# Altium PCB P-MT3620RDB-1-0.PcbDoc (part 1 of 4) (continued)
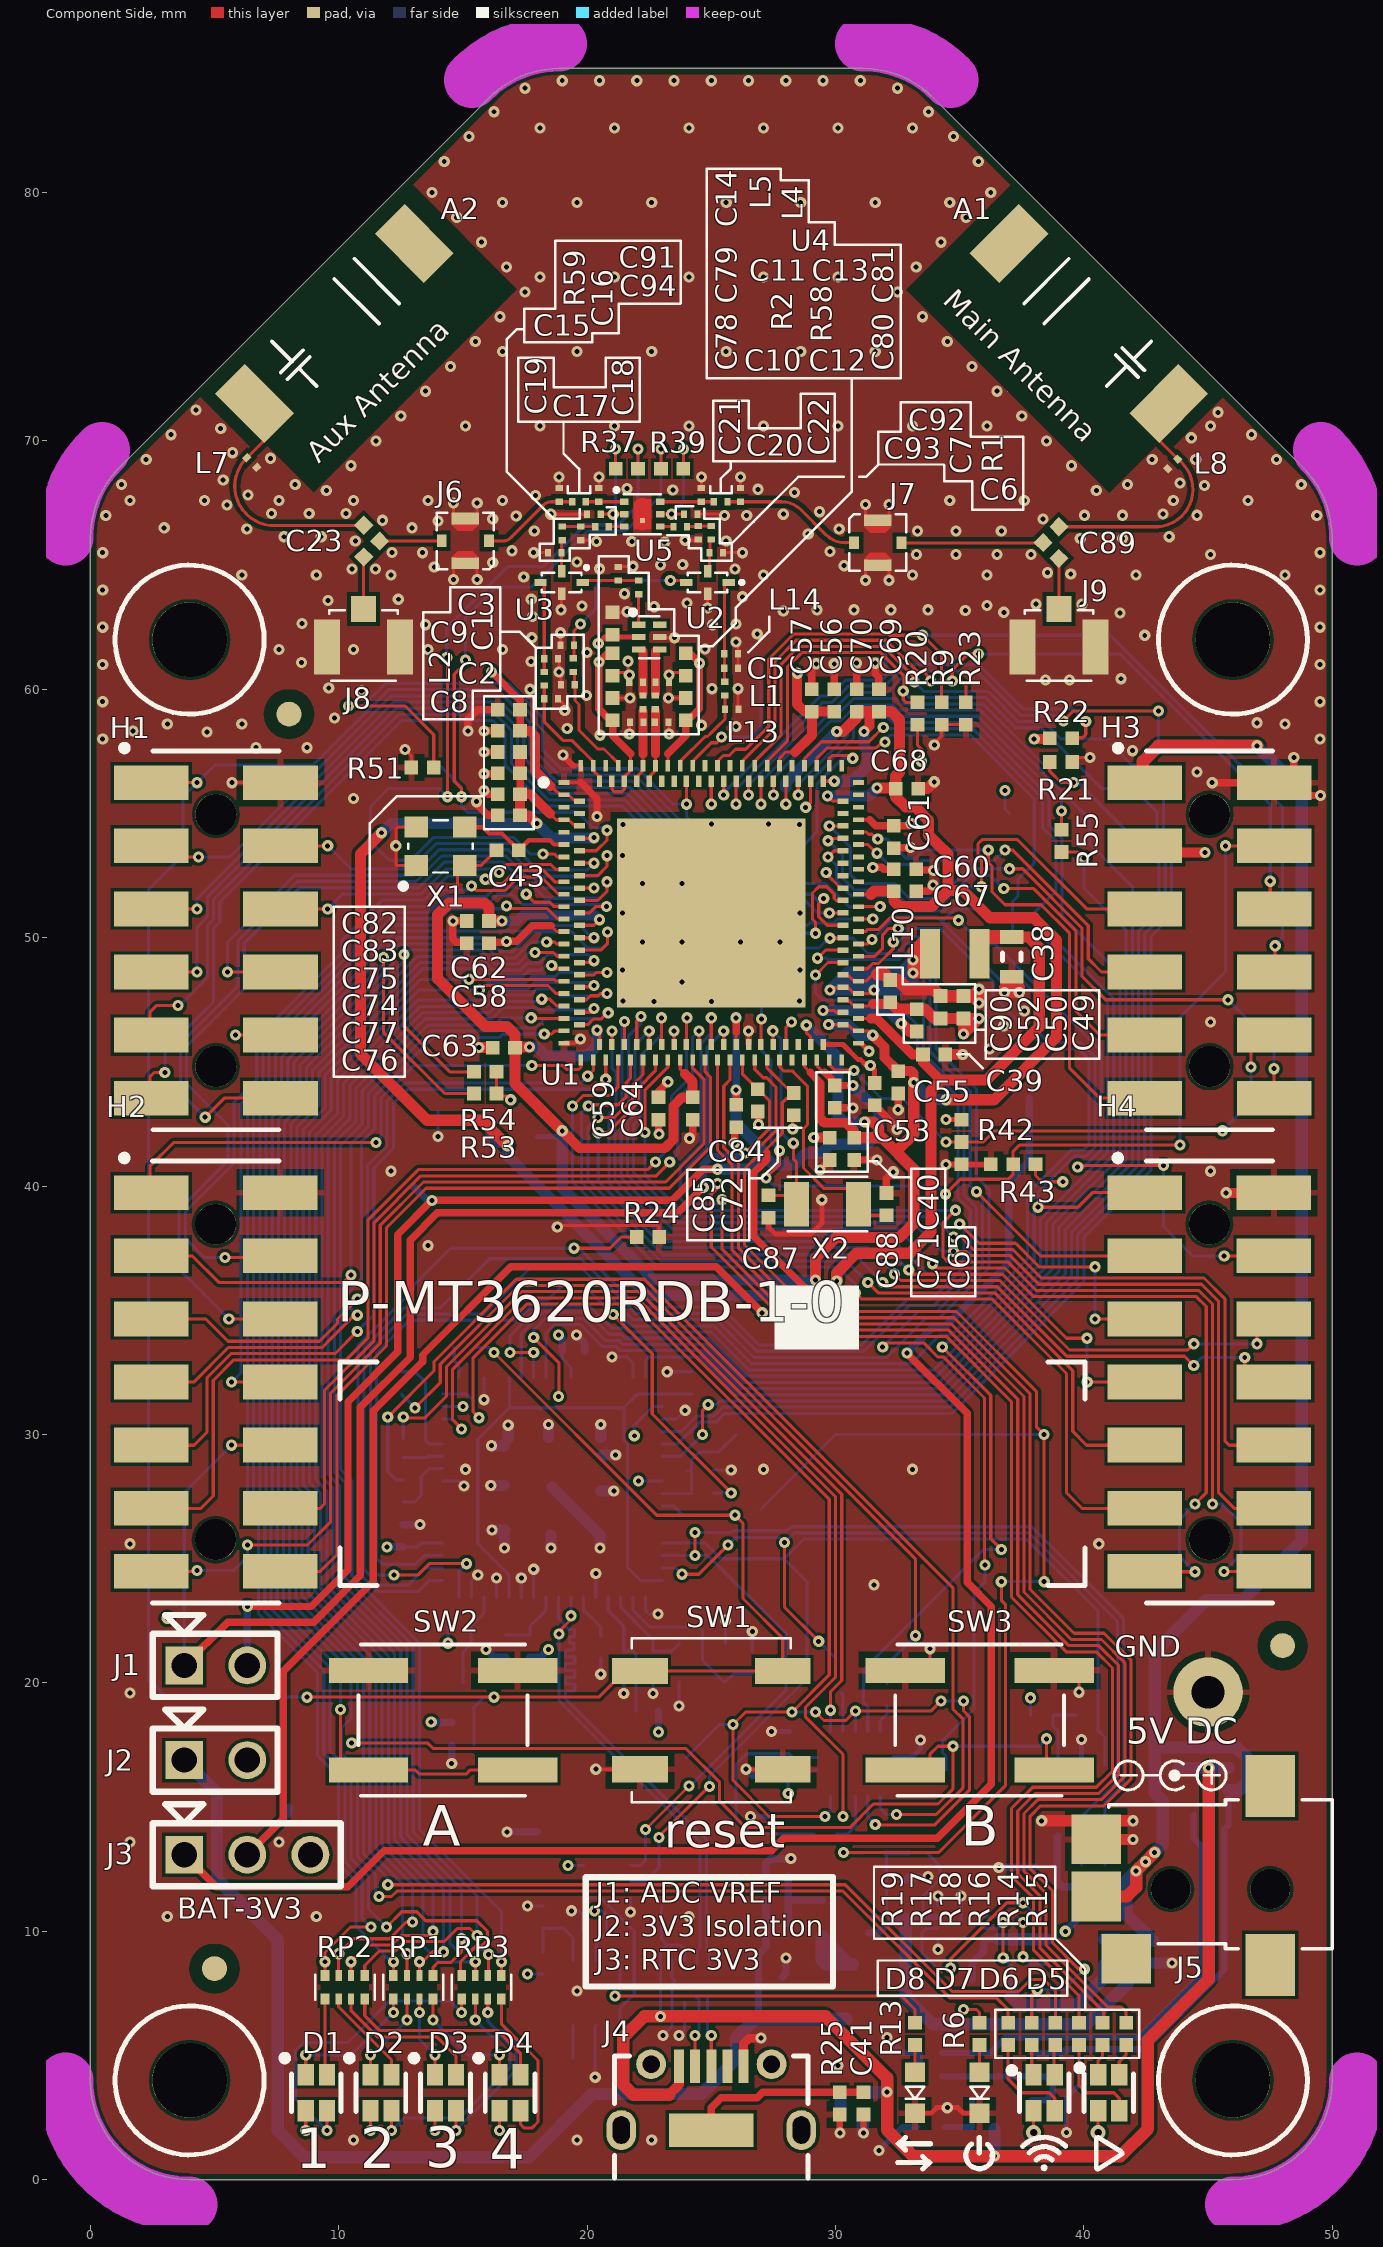
[diagram p0: Component Side view]
## Components (designator, comment, footprint, x,y, rotation, side; value= is the part's Value field where it differs from the comment) (continued)
C35 "10pF" "CAPC1005-EIA0402 0.55MM MED" 22.65,20.825 r90 bottom
C36 "0.1µF" "CAPC1005-EIA0402 0.55MM MED" 16.725,21.475 r90 bottom
C37 "0.1µF" "CAPC1005-EIA0402 0.55MM MED" 15,17.5 r0 bottom
C38 "10µF" CAPC1608-EIA0603-1MM-MED 37.1,49.225 r90 top
C39 "1.0µF" "CAPC1005-EIA0402 0.55MM MED" 33.975,45.3 r180 top
C40 "1.0µF" "CAPC1005-EIA0402 0.55MM MED" 29.975,43.6 r90 top
C41 "22pF" "CAPC1005-EIA0402 0.55MM MED" 31.125,3.075 r90 top
C42 "4.7µF" "CAPC1005-EIA0402 0.55MM MED" 24.225,32.075 r270 bottom
C43 "2.0pF" "CAPC1005-EIA0402 0.55MM MED" 16.8,53.525 r0 top
C44 "0.1µF" "CAPC1005-EIA0402 0.55MM MED" 21.475,20.825 r90 bottom
C45 "0.1µF" "CAPC1005-EIA0402 0.55MM MED" 12.6,25.925 r270 bottom
C46 "0.1µF" "CAPC1005-EIA0402 0.55MM MED" 19.45,33.375 r180 bottom
C48 "0.1µF" "CAPC1005-EIA0402 0.55MM MED" 20.325,10.15 r0 bottom
C49 "10µF" "CAPC1005-EIA0402 0.55MM MED" 35.15,47.2 r270 top
C50 "10µF" "CAPC1005-EIA0402 0.55MM MED" 34.225,47.2 r270 top
C52 "0.1µF" "CAPC1005-EIA0402 0.55MM MED" 33.275,46.675 r90 top
C53 "10µF" "CAPC1005-EIA0402 0.55MM MED" 31.575,43.7 r90 top
C55 "2.2µF" "CAPC1005-EIA0402 0.55MM MED" 32.525,44.175 r90 top
C56 "0.1µF" "CAPC1005-EIA0402 0.55MM MED" 29.95,59.55 r270 top
C57 "0.1µF" "CAPC1005-EIA0402 0.55MM MED" 29.05,59.55 r270 top
C58 "0.1µF" "CAPC1005-EIA0402 0.55MM MED" 15.6,49.775 r0 top
C59 "0.1µF" "CAPC1005-EIA0402 0.55MM MED" 22.875,43.125 r90 top
C60 "0.1µF" "CAPC1005-EIA0402 0.55MM MED" 32.8,52.75 r180 top
C61 "0.1µF" "CAPC1005-EIA0402 0.55MM MED" 32.35,54.05 r90 top
C62 "0.47µF" "CAPC1005-EIA0402 0.55MM MED" 15.6,50.675 r0 top
C63 "0.47µF" "CAPC1005-EIA0402 0.55MM MED" 16.65,45.575 r0 top
C64 "0.47µF" "CAPC1005-EIA0402 0.55MM MED" 24.25,43.125 r90 top
C65 "1.0µF" "CAPC1005-EIA0402 0.55MM MED" 30.75,41.5 r90 top
C67 "0.47µF" "CAPC1005-EIA0402 0.55MM MED" 32.8,51.875 r180 top
C68 "0.47µF" "CAPC1005-EIA0402 0.55MM MED" 32.875,56 r180 top
C69 "0.47µF" "CAPC1005-EIA0402 0.55MM MED" 31.75,59.55 r270 top
C70 "0.47µF" "CAPC1005-EIA0402 0.55MM MED" 30.85,59.55 r270 top
C71 "0.1µF" "CAPC1005-EIA0402 0.55MM MED" 29.775,41.5 r90 top
C72 "0.1µF" "CAPC1005-EIA0402 0.55MM MED" 28.325,43.3 r90 top
C74 "4.7µF" "CAPC1005-EIA0402 0.55MM MED" 16.85,56.625 r0 top
C75 "10pF" "CAPC1005-EIA0402 0.55MM MED" 16.85,57.475 r0 top
C76 "2.2µF" "CAPC1005-EIA0402 0.55MM MED" 16.85,54.925 r0 top
C77 "10pF" "CAPC1005-EIA0402 0.55MM MED" 16.85,55.775 r0 top
C78 "10pF" "CAPC1005-EIA0402 0.55MM MED" 21.025,59.2 r270 top
C79 "2.2µF" "CAPC1005-EIA0402 0.55MM MED" 21.025,61 r90 top
C80 "10pF" "CAPC1005-EIA0402 0.55MM MED" 23.975,59.2 r270 top
C81 "2.2µF" "CAPC1005-EIA0402 0.55MM MED" 23.975,61 r90 top
C82 "10pF" "CAPC1005-EIA0402 0.55MM MED" 16.85,59.175 r0 top
C83 "2.2µF" "CAPC1005-EIA0402 0.55MM MED" 16.85,58.325 r0 top
C84 "1.0µF" "CAPC1005-EIA0402 0.55MM MED" 26,42.825 r90 top
C85 "0.1µF" "CAPC1005-EIA0402 0.55MM MED" 26.875,43.45 r90 top
C86 "0.1µF" "CAPC1005-EIA0402 0.55MM MED" 27.65,16.275 r0 bottom
C87 "15pF" "CAPC1005-EIA0402 0.55MM MED" 27.3,39.175 r90 top
C88 "15pF" "CAPC1005-EIA0402 0.55MM MED" 32.05,39.275 r270 top
C89 "10pF" "CAPC1005-EIA0402 0.55MM MED - THREE WAY" 38.675,66.225 r45 top
C90 "1.0µF" "CAPC1005-EIA0402 0.55MM MED" 32.2,47.85 r270 top
C91 "10pF" "TDK 2010" 20.275,67.05 r0 top
C92 "10pF" "TDK 2010" 24.175,67.05 r180 top
C93 "10pF" "TDK 2010" 23.75,66.55 r0 top
C94 "10pF" "TDK 2010" 20.6,66.55 r180 top
C95 "1.0µF" "CAPC1005-EIA0402 0.55MM MED" 30.65,3.525 r0 bottom
C96 "10000pF" "CAPC1005-EIA0402 0.55MM MED" 33.725,2.125 r0 bottom
D1 "LTST-C19HE1WT" LTST-C19HE1WT 9.1,3.5 r0 top locked
D2 "LTST-C19HE1WT" LTST-C19HE1WT 11.7,3.5 r0 top locked
D3 "LTST-C19HE1WT" LTST-C19HE1WT 14.3,3.5 r0 top locked
D4 "LTST-C19HE1WT" LTST-C19HE1WT 16.9,3.5 r0 top locked
D5 "LTST-C19HE1WT" LTST-C19HE1WT 41,3.5 r0 top locked
D6 "LTST-C19HE1WT" LTST-C19HE1WT 38.4,3.5 r0 top locked
D7 "Red LED" "Rohm SML-D12 Red" 35.8,3.5 r90 top locked
D8 "Green LED" "Rohm SML-D12 Green" 33.2,3.5 r90 top locked
GND "20-2136" 20-2136 44.85,19.625 r0 top
H1 "TSM-106-01-L-DV-A" TSM-106-01-L-DV-A 5,49.9 r270 top locked
H2 "TSM-107-01-L-DV-A" TSM-107-01-L-DV-A 5.05,32.114 r270 top locked
H3 "TSM-106-01-L-DV-A" TSM-106-01-L-DV-A 45,49.9 r270 top locked
H4 "TSM-107-01-L-DV-A" TSM-107-01-L-DV-A 45.05,32.114 r270 top
J1 "MOLEX-0022284020" 0022284020 3.73,20.679 r0 top locked
J2 "MOLEX-0022284020" 0022284020 3.73,16.869 r0 top
J3 "MOLEX-0022284030" 0022284030 3.73,13.059 r0 top locked
J4 "Micro-USB socket" MCR-B-S-RA-SMT-CS5-T/R 25,4.575 r180 top
J5 "FC68145S" FC68145S 44.75,12.25 r270 top locked
J6 "MM8030-2610" MM8030-2610 15.1,65.975 r270 top
J7 "MM8030-2610" MM8030-2610 31.7,65.9 r90 top
J8 "U.FL-R-SMT-1(10)" U.FL-R-SMT-1(10) 11,61.7 r180 top
J9 "U.FL-R-SMT-1(10)" U.FL-R-SMT-1(10) 39,61.7 r180 top
L1 "1.2nH" "TDK 2010" 25.55,60.025 r90 top
L2 "0.8nH" "TDK 2010" 18.275,60.425 r90 top
L4 "1nH" "TDK 2010" 22.075,64.1 r90 top
L5 "1nH" "TDK 2010" 21.25,64.65 r270 top
L7 "1.5nH" "TDK 2010" 6.5,69.125 r135 top
L8 "1.5nH" "TDK 2010" 43.575,69.075 r45 top
L9 "2.2µH" NR3015T2R2M 30.425,7.575 r270 bottom
L10 "2.2µH" MAMK2520T2R2M 34.8,49.35 r0 top
L11 "FERRITE BEAD" "CAPC1005-EIA0402 0.55MM MED" 22.425,18.85 r0 bottom
L12 "FERRITE BEAD" "CAPC1005-EIA0402 0.55MM MED" 17.7,21.475 r270 bottom
L13 "1.2nH" "TDK 2010" 25.825,59.2 r180 top
L14 "2.0nH" "TDK 2010" 25.8,61.425 r180 top
Q1 "SI3590DV-T1-E3" SI3590DV-T1-E3 39.65,9.675 r90 bottom
Q2 "SI1317DL-T1-GE3" VISHAY_SOT-323 43.8,15.625 r180 bottom
Q3 "BCM857DS" NXP-SOT457 36.7,4.15 r90 bottom
R1 "0R" "TDK 2010" 25,66.3 r270 top
R2 "0R" "TDK 2010" 22.25,59.475 r270 top
R3 "0R066" VISHAY-0603 36.3,8.05 r180 bottom
R4 "150K" "RES 0402 MEDIUM DENSITY" 27.65,11.275 r0 bottom
R5 "33.2K" "RES 0402 MEDIUM DENSITY" 27.65,12.225 r180 bottom
R6 "604R" "RES 0402 MEDIUM DENSITY" 35.8,5.875 r270 top
R7 "4K7" "RES 0402 MEDIUM DENSITY" 24.65,26.75 r0 bottom
R8 "100K" "RES 0402 MEDIUM DENSITY" 15,18.425 r0 bottom
R9 "4K7" "RES 0402 MEDIUM DENSITY" 34.275,59.025 r90 top
R10 "523K" "RES 0402 MEDIUM DENSITY" 18.225,10.575 r90 bottom
R11 "154K" "RES 0402 MEDIUM DENSITY" 19.875,4.875 r0 bottom
R12 "1M" "RES 0402 MEDIUM DENSITY" 18.225,8.725 r90 bottom
R13 "100R" "RES 0402 MEDIUM DENSITY" 33.2,5.875 r270 top
R14 "680R" "RES 0402 MEDIUM DENSITY" 40.75,5.875 r90 top
R15 "620R" "RES 0402 MEDIUM DENSITY" 41.7,5.875 r90 top
R16 "300R" "RES 0402 MEDIUM DENSITY" 39.8,5.875 r270 top
R17 "680R" "RES 0402 MEDIUM DENSITY" 37.9,5.875 r90 top
R18 "620R" "RES 0402 MEDIUM DENSITY" 38.85,5.875 r90 top
R19 "300R" "RES 0402 MEDIUM DENSITY" 36.95,5.875 r270 top
R20 "4K7" "RES 0402 MEDIUM DENSITY" 33.3,59.025 r90 top
R21 "4K7" "RES 0402 MEDIUM DENSITY" 39.075,57.075 r180 top
R22 "4K7" "RES 0402 MEDIUM DENSITY" 39.075,58.025 r0 top
R23 "4K7" "RES 0402 MEDIUM DENSITY" 35.25,59.025 r90 top
R24 "4K7" "RES 0402 MEDIUM DENSITY" 22.45,37.95 r180 top
R25 "1M" "RES 0402 MEDIUM DENSITY" 30.175,3.075 r270 top
R26 "2.2K" "RES 0402 MEDIUM DENSITY" 40.125,18.7 r0 bottom
R27 "10K" "RES 0402 MEDIUM DENSITY" 38.3,18.7 r0 bottom
R28 "10K" "RES 0402 MEDIUM DENSITY" 39.9,12.25 r90 bottom
R29 "10K" "RES 0402 MEDIUM DENSITY" 40.85,12.25 r90 bottom
R30 "12K" "RES 0402 MEDIUM DENSITY" 20.55,21.45 r270 bottom
R31 "10K" "RES 0402 MEDIUM DENSITY" 14.85,22.25 r0 bottom
R32 "4K7" "RES 0402 MEDIUM DENSITY" 28.15,17.6 r90 bottom
R34 "4K7" "RES 0402 MEDIUM DENSITY" 27.75,14.625 r180 bottom
R35 "2.2K" "RES 0402 MEDIUM DENSITY" 24.65,27.65 r180 bottom
R36 "4K7" "RES 0402 MEDIUM DENSITY" 15.1,33.5 r0 bottom
R37 "33R" "RES 0402 MEDIUM DENSITY" 21.6,68.875 r180 top
R38 "2.2K" "RES 0402 MEDIUM DENSITY" 24.65,28.575 r0 bottom
R39 "33R" "RES 0402 MEDIUM DENSITY" 23.425,68.875 r0 top
R40 "0R" THREE-WAY-0402-WITH-SHORT 31.6,13.15 r0 bottom net-tie
R42 "4K7" THREE-WAY-0402-NO-SHORT 35.075,42.225 r270 top
R43 "4K7" THREE-WAY-0402-NO-SHORT 37.6,40.875 r180 top
R44 "33R" "RES 0402 MEDIUM DENSITY" 30.675,19.6 r180 bottom
R45 "33R" "RES 0402 MEDIUM DENSITY" 32.075,19.525 r270 bottom
R46 "33R" "RES 0402 MEDIUM DENSITY" 34,16.5 r180 bottom
R47 "33R" "RES 0402 MEDIUM DENSITY" 29.6,13.925 r0 bottom
R48 "33R" "RES 0402 MEDIUM DENSITY" 12.6,27.725 r90 bottom
R49 "33R" "RES 0402 MEDIUM DENSITY" 12.6,29.525 r90 bottom
R50 "33R" "RES 0402 MEDIUM DENSITY" 12.525,32.075 r270 bottom
R51 "4K7" "RES 0402 MEDIUM DENSITY" 13.375,56.85 r180 top
R53 "4K7" "RES 0402 MEDIUM DENSITY" 15.9,43.725 r180 top
R54 "4K7" "RES 0402 MEDIUM DENSITY" 15.9,44.6 r180 top
R55 "4K7" "RES 0402 MEDIUM DENSITY" 39.1,53.9 r90 top
R56 "10K" "RES 0402 MEDIUM DENSITY" 33.85,4.15 r180 bottom
R57 "10K" "RES 0402 MEDIUM DENSITY" 33.85,5.1 r180 bottom
R58 "0R" "TDK 2010" 22.75,59.475 r270 top
R59 "0R" "TDK 2010" 19,66.275 r270 top
R60 "0R" "RES 0402 MEDIUM DENSITY" 45.825,16.125 r90 bottom
R61 "10.2R" "RES 0402 MEDIUM DENSITY" 30.65,2.625 r0 bottom
R62 "100R" "RES 0402 MEDIUM DENSITY" 35.95,2.025 r180 bottom
RP1 "680R" EXB-N8V 13,7.75 r0 top
RP2 "620R" EXB-N8V 10.25,7.75 r0 top
RP3 "300R" EXB-N8V 15.75,7.75 r0 top
SW1 "Push Button" DHT-1158 25,18.5 r0 top locked
SW2 "SWI TACT SPN0 PANASONIC EVQQ2P03W" EVQQ2P03W 14.2,18.5 r0 top locked
SW3 "SWI TACT SPN0 PANASONIC EVQQ2P03W" EVQQ2P03W 35.8,18.5 r0 top locked
U1 "MT3620AN" MT3620_MaskSquaresVias50 25,51 r0 top
U2 "DP1608-A2455SC" DP1608-A2455SC 24.85,64.3 r270 top
U3 "DP1608-A2455SC" DP1608-A2455SC 18.975,64.3 r270 top
U4 "BL1608-05A2450TB" BL1608-05A2450TB 22.5,62.1 r90 top
U5 "SKY13411-374LF" SKY13411-374LF 22.225,67.05 r0 top
U8 "LTC4361CDC-1" LTC4361-1#TRPBF 35.05,10.35 r90 bottom
U9 "RT5711BHGQW" SON65P200X80_HS-7N 30.4,10.6 r180 bottom locked
U12 "EMI2121MTTAG" EMI2121MTTAG 24.175,8 r180 bottom
U13 "LTC6993CS6-2#TRMPBF" LTC6993CS6-2#TRMPBF 20.375,7.525 r180 bottom
U14 "93LC56BT-I/OT" SOT23-93C56B 39.9,15.25 r270 bottom
U16 "FT4232HQ" FTDI_TF4232HQ_64QFN 18.6,27.875 r90 bottom locked
U17 "NC7SZ08P5X" SC-70-5 20.8,12 r270 bottom
U18 "74LCX126BQX" 74LCX126BQX 30.8,16.75 r0 bottom
X1 "26MHz" CT2520DB26000C0FZZA1 14.1,53.675 r0 top
X2 "32.768kHz" 9HT10-32.768KDZF-T 29.675,39.275 r0 top
X3 "12MHz" "TXC 8Z" 24.65,20.825 r0 bottom

## Footprints (in the part's own frame and the unit in brackets; to place one, negate y for a bottom-side part, rotate by r counter-clockwise, add the part's x,y. Pads: shape width x height; smd on the part's side, far side on the other; paste and mask are expansions set on the pad)
9HT10-32.768KDZF-T [mm]
  rect 1x1.8 smd: 1(-1.25,0) 2(1.25,0)
  silkscreen extent -1.6,-1.1 1.6,1.1, body extent -1.9,-1 1.9,1, height 1.27
20-2136 [mm] "PCB Test Loop"
  round 2.8 hole 1.32: 1(0.15,0)
  body extent -1.35,-1.5 1.65,1.5, height 1.27
74LCX126BQX [mm] "Quad buffer"
  rect 1.4x1 smd: 0(0,0)
  rect 0.9x0.24 smd: 1(-1.55,-0.25) 7(1.55,-0.25) 8(1.55,0.25) 14(-1.55,0.25)
  rect 0.24x0.9 smd: 2(-1,-1.3) 3(-0.5,-1.3) 4(0,-1.3) 5(0.5,-1.3) 6(1,-1.3) 9(1,1.3) 10(0.5,1.3) 11(0,1.3) 12(-0.5,1.3) 13(-1,1.3)
  silkscreen extent -2.12,-1.3 1.55,1.3, body extent -2,-1.75 2,1.75, height 1.27
0022284020 [mil] "2-way header"
  rect 60x60 hole 40: 1(2,1)
  round 60 hole 40: 2(102,1)
  silkscreen extent -48,-49 150,81, body extent -48,-49 150,51, height 50
0022284030 [mil] "3-way header"
  rect 60x60 hole 40: 1(2,1)
  round 60 hole 40: 2(102,1) 3(202,1)
  silkscreen extent -48,-49 250,81, body extent -55,-60 260,60, height 50
BL1608-05A2450TB [mm] "Multilayer Chip Balun"
  rect 0.25x0.55 smd: 1(0.5,0.425) 2(0,0.425) 3(-0.5,0.425) 4(-0.5,-0.425) 5(0,-0.425) 6(0.5,-0.425)
  silkscreen extent -0.85,-0.4 1.07,0.72, body extent -0.85,-0.82 1.07,0.82, height 1.27
"CAPC1005-EIA0402 0.55MM MED" [mm] "Chip Capacitor 1.0mm x 0.5mm, IPC Medium Density"
  rect 0.55x0.55 smd: 1(-0.45,0) 2(0.45,0)
  body extent -0.9,-0.45 0.9,0.45, height 0.55
"CAPC1005-EIA0402 0.55MM MED - THREE WAY" [mm] "Chip Capacitor 1.0mm x 0.5mm, IPC Medium Density"
  rect 0.55x0.55 smd: 1(-0.45,0) 2(-0.45,-0.9) 3(0.45,0)
  body extent -0.72,-0.97 0.9,0.28, height 0.55
CAPC1608-EIA0603-1MM-MED [mm] "Chip Capacitor, 2-Leads, Body 1.60x0.80mm, IPC Medium Density"
  rect 0.55x0.95 smd: 1(-0.8,0) 2(0.8,0)
  silkscreen extent -0.15,-0.38 0.15,0.38, body extent -1.35,-0.75 1.35,0.75, height 1
CT2520DB26000C0FZZA1 [mm] "26MHz ±10ppm Crystal 7pF 30 Ohm"
  rect 0.95x0.85 smd: 1(-0.975,-0.775) 2(0.975,-0.775) 3(0.975,0.775) 4(-0.975,0.775)
  silkscreen extent -1.6,-1.7 1.3,1.05, body extent -1.6,-1.7 -1.4,-1.5, height 1.27
DHT-1158 [mm]
  rect 2.25x1.05 smd: 1(-2.875,1.975) 2(2.875,1.975) 3(-2.875,-1.975) 4(2.875,-1.975)
  silkscreen extent -3.2,-3.3 3.2,3.3, body extent -4,-3.3 4,3.3, height 1.27
DP1608-A2455SC [mm] "Diplexer"
  rect 0.3x0.5 smd: 1(0,0.85) 3(0,-0.85)
  rect 0.5x0.3 smd: 2(-0.45,0) 4(0.45,0)
  silkscreen extent -0.4,-0.8 0.4,1.45, body extent -0.8,-1.2 0.8,1.45, height 1.27
EMI2121MTTAG [mm]
  rect 0.4x1 smd paste-0.03: 1(-0.8,-0.65)
  rect 0.3x1 smd paste-0.03: 2(-0.25,-0.65) 7(-0.25,0.65) 8(-0.75,0.65)
  rect 0.3x0.6 smd paste-0.03: 3(0.25,-0.85) 4(0.75,-0.85) 5(0.75,0.85) 6(0.25,0.85)
  rect 0.54x0.8 smd paste-0.08: 9(0.63,0)
  silkscreen extent -1.53,-1.63 1.2,1, body extent -1.53,-1.63 -1.27,-1.37, height 1.27
EVQQ2P03W [mm] "Tactile switch SPNO 6 mm Square Thin Type SMD, 3.1mm height"
  rect 3.2x1 smd: 1(-3,2) 2(-3,-2) 3(3,2) 4(3,-2)
  silkscreen extent -3.4,-3.05 3.4,3.05, body extent -4.8,-3.2 4.8,3.2, height 3.1
EXB-N8V [mm] "Resistor array 0804"
  rect 0.35x0.45 smd: 1(-0.8,-0.475) 2(-0.8,0.475) 7(0.8,-0.475) 8(0.8,0.475)
  rect 0.25x0.45 smd: 3(-0.25,-0.475) 4(-0.25,0.475) 5(0.25,-0.475) 6(0.25,0.475)
  Component Side pour cut-out: -0.975,0.7 0.975,0.7 0.975,-0.7 -0.975,-0.7
  silkscreen extent -1.2,-0.5 1.2,0.5, body extent -1.1,-0.82 1.1,0.82, height 1.27
FC68145S [mm]
  rect 2.5x2 smd: 0(-3.6,2.75) 0(3.6,2.75)
  round 1.6 hole 1.6 unplated: 0(0.55,2.75) 0(0.55,-1.25)
  rect 2x2 smd: 1(0.85,-4.25) 2(-1.45,-4.25) 3(3.35,-3.05)
  silkscreen extent -3.05,-3.75 2.95,5.25, body extent -4.85,-5.25 4.85,5.25, height 1.27
FTDI_TF4232HQ_64QFN [mm] "QFN, 64-Leads, Body 9.00x9.00mm, Pitch 0.50mm, Thermal Pad 4.35x4.35mm, IPC Medium Density"
  oval 0.85x0.25 smd: 1(-4.425,3.75) 2(-4.425,3.25) 3(-4.425,2.75) 4(-4.425,2.25) 5(-4.425,1.75) 6(-4.425,1.25) 7(-4.425,0.75) 8(-4.425,0.25) 9(-4.425,-0.25) 10(-4.425,-0.75) 11(-4.425,-1.25) 12(-4.425,-1.75) 13(-4.425,-2.25) 14(-4.425,-2.75) 15(-4.425,-3.25) 16(-4.425,-3.75) 33(4.425,-3.75) 34(4.425,-3.25) 35(4.425,-2.75) 36(4.425,-2.25) 37(4.425,-1.75) 38(4.425,-1.25) 39(4.425,-0.75) 40(4.425,-0.25) 41(4.425,0.25) 42(4.425,0.75) 43(4.425,1.25) 44(4.425,1.75) 45(4.425,2.25) 46(4.425,2.75) 47(4.425,3.25) 48(4.425,3.75)
  oval 0.25x0.85 smd: 17(-3.75,-4.425) 18(-3.25,-4.425) 19(-2.75,-4.425) 20(-2.25,-4.425) 21(-1.75,-4.425) 22(-1.25,-4.425) 23(-0.75,-4.425) 24(-0.25,-4.425) 25(0.25,-4.425) 26(0.75,-4.425) 27(1.25,-4.425) 28(1.75,-4.425) 29(2.25,-4.425) 30(2.75,-4.425) 31(3.25,-4.425) 32(3.75,-4.425) 49(3.75,4.425) 50(3.25,4.425) 51(2.75,4.425) 52(2.25,4.425) 53(1.75,4.425) 54(1.25,4.425) 55(0.75,4.425) 56(0.25,4.425) 57(-0.25,4.425) 58(-0.75,4.425) 59(-1.25,4.425) 60(-1.75,4.425) 61(-2.25,4.425) 62(-2.75,4.425) 63(-3.25,4.425) 64(-3.75,4.425)
  rect 4.35x4.35 smd paste-0.5: 65(0,0)
  silkscreen extent -5.46,-4.69 4.69,4.69, body extent -5.46,-5.1 5.1,5.1, height 1
HARWIN-S8421-45R [mm] "Coin Cell Battery Holder CR2032, SMD"
  rect 3.6x3 smd: 1(0,0)
  rect 3x2.6 smd: 2(0,21.4)
  silkscreen extent -10,-0.2 10,23.55, body extent -10.5,-1.75 10.5,24, height 1.27
LTC4361-1#TRPBF [mm]
  rect 0.25x0.7 smd: 1(-0.675,-0.925) 2(-0.225,-0.925) 3(0.225,-0.925) 4(0.675,-0.925) 5(0.675,0.925) 6(0.225,0.925) 7(-0.225,0.925) 8(-0.675,0.925)
  rect 1.37x0.64 smd paste-0.12: 9(0,0)
  silkscreen extent -1.4,-1.5 1,1.3, body extent -1.4,-1.5 1,1.4, height 1.27
LTC6993CS6-2#TRMPBF [mm]
  rect 0.62x1.22 smd: 1(-0.95,-1.31) 2(0,-1.31) 3(0.95,-1.31) 4(0.95,1.31) 5(0,1.31) 6(-0.95,1.31)
  silkscreen extent -1.91,-1.52 1.52,0.89, body extent -1.9,-1.52 -1.65,-1.27, height 1.27
LTST-C19HE1WT [mm] "RGB LED"
  rect 0.65x0.85 smd: 1(-0.425,0.725) 2(0.425,0.725) 3(0.425,-0.725) 4(-0.425,-0.725)
  silkscreen extent -1.4,-0.75 1,1.52, body extent -1.4,1.27 -1.14,1.52, height 1.27
MAMK2520T2R2M [mm] "Inductor footprint"
  rect 0.8x2 smd: 1(-1,0) 2(1,0)
  body extent -1.52,-1.12 1.52,1.12, height 1.2
MCR-B-S-RA-SMT-CS5-T/R [mm]
  rect 0.4x1.35 smd: 1(1.3,0) 2(0.65,0) 3(0,0) 4(-0.65,0) 5(-1.3,0)
  rect 3.4x1.35 smd: 6(0,2.575)
  round 1.2 hole 0.7: 7(-2.425,-0.075) 8(2.425,-0.075)
  rrect100% 1.2x1.6 hole 0.7 slot 1.1 at 90 deg: 9(-3.625,2.575) 10(3.625,2.575)
  silkscreen extent -3.9,-0.4 3.9,4.5, body extent -4.4,-0.8 4.4,5.4, height 1.27
MM8030-2610 [mm]
  rect 0.5x0.4 smd: 1(0,0.95) 2(0,-0.95)
  rect 0.47x1.1 smd: 3(-0.9,0) 4(0.9,0)
  Component Side lines w0.15: 0.675,-0.475 0.475,-0.275 0.475,0.275 0.675,0.475 ; -0.675,-0.475 -0.475,-0.275 -0.475,0.275 -0.675,0.475 ; 0.6,-0.375 0.6,0.4 ; -0.6,-0.375 -0.6,0.4
  silkscreen extent -1.13,-1.15 1.15,1.15, body extent -1.25,-1.27 1.27,1.27, height 1.27
MT3620_MaskSquaresVias50 [mm] "DR-QFN, 164-Leads, Body 12.00x12.00mm, Pitch 0.50mm, Thermal Pad 6.80x6.80mm, IPC High Density"
  rect 0.45x0.19 smd: 1(-5.925,5.25) 2(-5.925,4.75) 4(-5.925,4.25) 6(-5.925,3.75) 8(-5.925,3.25) 10(-5.925,2.75) 12(-5.925,2.25) 14(-5.925,1.75) 16(-5.925,1.25) 18(-5.925,0.75) 20(-5.925,0.25) 22(-5.925,-0.25) 24(-5.925,-0.75) 26(-5.925,-1.25) 28(-5.925,-1.75) 30(-5.925,-2.25) 32(-5.925,-2.75) 34(-5.925,-3.25) 36(-5.925,-3.75) 38(-5.925,-4.25) 40(-5.925,-4.75) 41(-5.925,-5.25) 83(5.925,-5.25) 84(5.925,-4.75) 86(5.925,-4.25) 88(5.925,-3.75) 90(5.925,-3.25) 92(5.925,-2.75) 94(5.925,-2.25) 96(5.925,-1.75) 98(5.925,-1.25) 100(5.925,-0.75) 102(5.925,-0.25) 104(5.925,0.25) 106(5.925,0.75) 108(5.925,1.25) 110(5.925,1.75) 112(5.925,2.25) 114(5.925,2.75) 116(5.925,3.25) 118(5.925,3.75) 120(5.925,4.25) 122(5.925,4.75) 123(5.925,5.25)
  rect 0.45x0.22 smd: 3(-5.3,4.5) 5(-5.3,4) 7(-5.3,3.5) 9(-5.3,3) 11(-5.3,2.5) 13(-5.3,2) 15(-5.3,1.5) 17(-5.3,1) 19(-5.3,0.5) 21(-5.3,0) 23(-5.3,-0.5) 25(-5.3,-1) 27(-5.3,-1.5) 29(-5.3,-2) 31(-5.3,-2.5) 33(-5.3,-3) 35(-5.3,-3.5) 37(-5.3,-4) 39(-5.3,-4.5) 85(5.3,-4.5) 87(5.3,-4) 89(5.3,-3.5) 91(5.3,-3) 93(5.3,-2.5) 95(5.3,-2) 97(5.3,-1.5) 99(5.3,-1) 101(5.3,-0.5) 103(5.3,0) 105(5.3,0.5) 107(5.3,1) 109(5.3,1.5) 111(5.3,2) 113(5.3,2.5) 115(5.3,3) 117(5.3,3.5) 119(5.3,4) 121(5.3,4.5)
  rect 0.19x0.45 smd: 42(-5.25,-5.925) 43(-4.75,-5.925) 45(-4.25,-5.925) 47(-3.75,-5.925) 49(-3.25,-5.925) 51(-2.75,-5.925) 53(-2.25,-5.925) 55(-1.75,-5.925) 57(-1.25,-5.925) 59(-0.75,-5.925) 61(-0.25,-5.925) 63(0.25,-5.925) 65(0.75,-5.925) 67(1.25,-5.925) 69(1.75,-5.925) 71(2.25,-5.925) 73(2.75,-5.925) 75(3.25,-5.925) 77(3.75,-5.925) 79(4.25,-5.925) 81(4.75,-5.925) 82(5.25,-5.925) 124(5.25,5.925) 125(4.75,5.925) 127(4.25,5.925) 129(3.75,5.925) 131(3.25,5.925) 133(2.75,5.925) 135(2.25,5.925) 137(1.75,5.925) 139(1.25,5.925) 141(0.75,5.925) 143(0.25,5.925) 145(-0.25,5.925) 147(-0.75,5.925) 149(-1.25,5.925) 151(-1.75,5.925) 153(-2.25,5.925) 155(-2.75,5.925) 157(-3.25,5.925) 159(-3.75,5.925) 161(-4.25,5.925) 163(-4.75,5.925) 164(-5.25,5.925)
  rect 0.22x0.45 smd: 44(-4.5,-5.3) 46(-4,-5.3) 48(-3.5,-5.3) 50(-3,-5.3) 52(-2.5,-5.3) 54(-2,-5.3) 56(-1.5,-5.3) 58(-1,-5.3) 60(-0.5,-5.3) 62(0,-5.3) 64(0.5,-5.3) 66(1,-5.3) 68(1.5,-5.3) 70(2,-5.3) 72(2.5,-5.3) 74(3,-5.3) 76(3.5,-5.3) 78(4,-5.3) 80(4.5,-5.3) 126(4.5,5.3) 128(4,5.3) 130(3.5,5.3) 132(3,5.3) 134(2.5,5.3) 136(2,5.3) 138(1.5,5.3) 140(1,5.3) 142(0.5,5.3) 144(0,5.3) 146(-0.5,5.3) 148(-1,5.3) 150(-1.5,5.3) 152(-2,5.3) 154(-2.5,5.3) 156(-3,5.3) 158(-3.5,5.3) 160(-4,5.3) 162(-4.5,5.3)
  rect 7.6x7.6 smd paste-5 mask+0.102: 165(0,0)
  silkscreen extent -6.87,5.13 -6.62,5.37, body extent -6.87,-6.37 6.37,6.37, height 0.9
NR3015T2R2M [mm]
  rect 0.8x2.7 smd: 1(-1.1,0) 2(1.1,0)
  silkscreen extent -1.52,-1.65 1.52,1.65, body extent -1.65,-1.65 1.65,1.65, height 1.27
NXP-SOT457 [mm]
  rect 0.55x0.8 smd: 1(-0.95,-1.2) 2(0,-1.2) 3(0.95,-1.2) 4(0.95,1.2) 5(0,1.2) 6(-0.95,1.2)
  silkscreen extent -1.75,-1.9 1.6,1, body extent -1.75,-1.9 0.5,0.5, height 0.9
Pad1.27mm#1 [mm] "1.27mm dia round pad"
  round 1.27 smd paste-2.54: 1(0,0)
  body extent -0.74,-0.74 0.74,0.74, height 1.27
Pad1.27mm#2 [mm] "1.27mm dia round pad"
  round 1.27 smd far side paste-2.54: 1(0,0)
  body extent -0.74,-0.74 0.74,0.74, height 0.9
"RES 0402 MEDIUM DENSITY" [mm] "Panasonic ERJR 0402"
  rect 0.55x0.55 smd: 1(-0.45,0) 2(0.45,0)
  body extent -0.9,-0.45 0.9,0.45, height 0.4
"Rohm SML-D12 Green" [mm]
  rect 0.8x0.8 smd paste-0.05: 1(-0.825,0) 2(0.825,0)
  silkscreen extent -0.25,-0.37 0.25,0.38, body extent -1.37,-0.55 1.37,0.55, height 0.55
"Rohm SML-D12 Red" [mm]
  rect 0.8x0.8 smd paste-0.05: 1(-0.825,0) 2(0.825,0)
  silkscreen extent -0.25,-0.37 0.25,0.37, body extent -1.37,-0.55 1.37,0.55, height 0.55
SC-70-5 [mm]
  rect 0.4x0.5 smd: 1(-0.65,-0.95) 2(0,-0.95) 3(0.65,-0.95) 4(0.65,0.95) 5(-0.65,0.95)
  silkscreen extent -1.4,-1.6 1.1,1, body extent -1.4,-1.6 -1.2,-1.4, height 1.27
SI3590DV-T1-E3 [mil]
  rect 20x27.52 smd: 1(-39.76,-45.79) 2(0,-45.79) 3(39.76,-45.79) 4(39.76,45.79) 5(0,45.79) 6(-39.76,45.79)
  silkscreen extent -64,-74 63,31, body extent -64,-74 50,60, height 50
SKY13411-374LF [mm]
  rect 0.35x0.25 smd: 1(-0.725,0.5) 2(-0.725,0) 3(-0.725,-0.5) 4(0.725,-0.5) 5(0.725,0) 6(0.725,0.5)
  rect 0.2x0.2 smd mask-1: 7(0,-0.25)
  Component Side region: -0.35,0.45 -0.2,0.6 -0.1,0.6 -0.1,0.65 0.1,0.65 0.1,0.6 0.35,0.6 0.35,-0.6 0.1,-0.6 0.1,-0.625 0.1,-0.65 0,-0.65 -0.1,-0.65 -0.1,-0.625 -0.1,-0.6 -0.35,-0.6
  silkscreen extent -1.09,-0.8 0.75,1.01, body extent -1.08,0.94 -1.02,1.01, height 1.27
SON65P200X80_HS-7N [mm] "SON, 6-Leads, Body 2.00x2.00mm, Pitch 0.65mm, Thermal Pad 1.23x0.68mm, IPC Medium Density"